# Allegro board rpi-cm4-carrierboard-v1_00-0a.brd (continued)
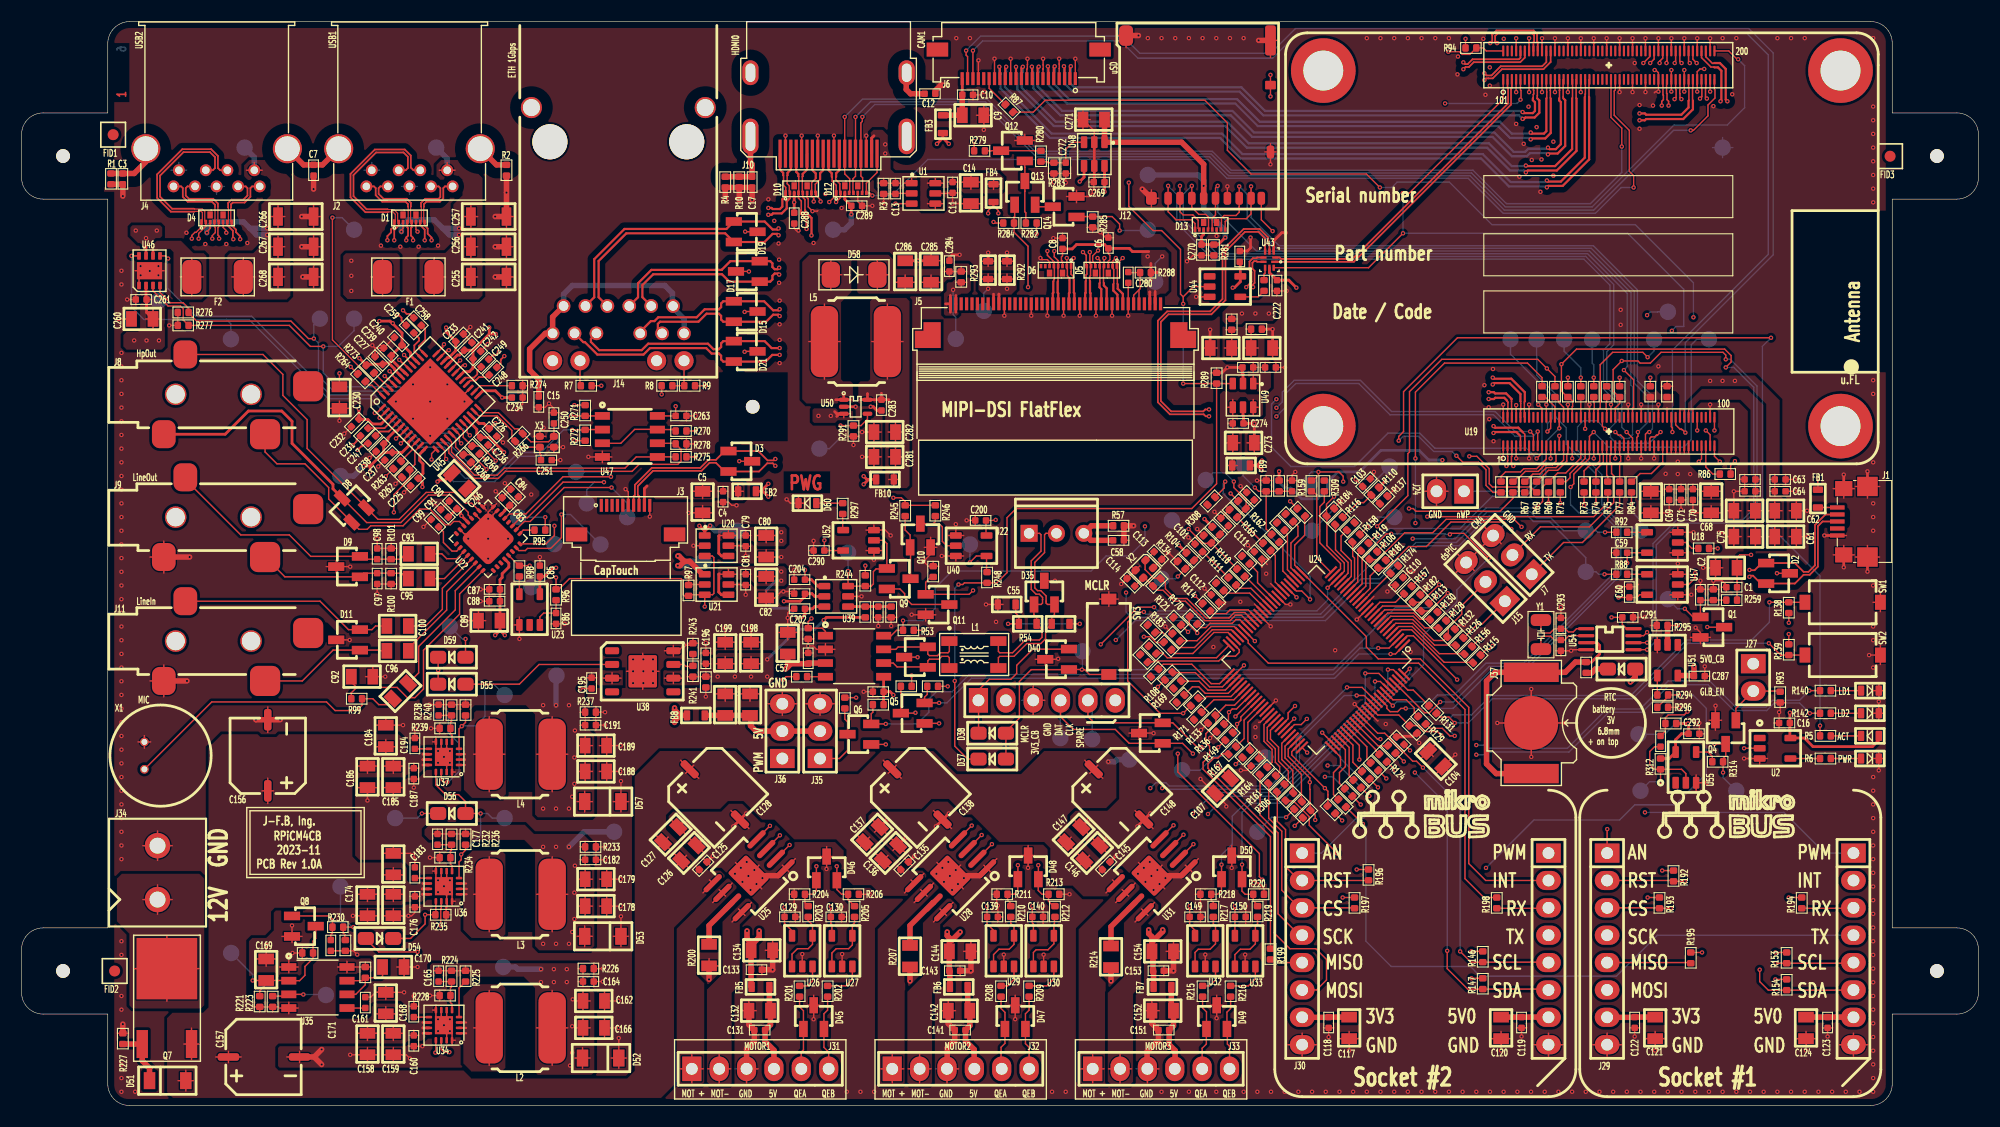
[diagram p0: board, top side]
## Routing (per net, layer and track width the routed paths; a pad name or vN(x,y) marks a point on that pad's centre or on a via; arc(x,y) is an arc through that point) (continued)
  TOP w0.254: C109.2 128.22,34.21 128.28,34.26 129.06,34.26 129.1,34.3 ; U43.9 115.8,77.3 C222.2 117.6,76.6 v1(118.3,75.9) ; U48.4 98.6,86.15 v1(98.2,85.75) ; U45.22 41.66,64.09 42.45,63.3 42.9,63.3 C226.2 43.46,62.81 v1(43.98,63.33) ; U48.6 C269.2 v1(100.5,84.8) ; 85.5,89.8 v1(86.05,89.25) ; 85.5,89.8 v1(84.95,89.25) ; 85.5,89.8 85.5,90.25 ; v1(70.75,46.8) 72.25,46.8 72.7,47.25 C203.1 73.35,47.5 73.6,47.25 U39.2 ; D16.2 172.35,33.9 171.75,33.3 166.25,33.3 165.45,34.1 U2.5 164.1,34.15 C16.2 v1(164.1,36.45) ; v1(31.35,69.35) R273.1 32.09,68.79 C227.2 33.61,68.9 34.08,68.9 34.63,68.35 34.63,68.27 U45.43 ; 114.65,59.4 v1(115.1,59.85) ; 114.65,59.4 FB9.1 ; 114.65,59.4 v1(115.1,58.95) ; v1(31.31,64.65) C232.2 31.36,63.65 32.15,63.65 32.55,63.25 33.36,63.25 U45.3 ; U45.25 42.8,66.32 43.98,66.32 v1(44.6,65.7) C234.2 ; U15.5 C54.2 ; C54.2 R190.1 ; C54.2 80.6,38.4 v1(80.9,38.1) ; v1(112.4,75.9) 112.55,75.9 113.1,76.45 U44.5 113.1,78.25 C224.2 ; U45.34 39.51,69.4 39.65,69.4 40.29,70.04 C233.2 40.29,70.91 39.4,71.8 v1(39.4,72.2) ; v1(37.2,57.4) 37.2,57.81 C225.2 37.25,58.65 37.25,59.55 36.95,59.85 36.95,60.45 37.39,60.89 U45.12 ; 64.75,52.9 64.7,52.85 64.7,51.25 64.95,51 U20.4
  TOP w0.508: D61.1 149.75,39.75 v1(149.3,39.3) ; C117.1 C118.2 121.28,8.18 J30.7 ; J29.7 149.68,8.18 C122.2 C121.1
  POW_INNER3 w0.127: J29.7 148.4,8.18 ; J29.7 145.88,8.18 ; J29.7 147.14,9.18 ; J29.7 147.14,7.18 ; 91.34,36.34 J28.2 ; J28.2 90.34,37.6 ; J28.2 91.34,38.86 ; J28.2 92.34,37.6 ; 117.58,8.18 J30.7 ; J30.7 118.84,9.18 ; J30.7 118.84,7.18 ; J30.7 120.1,8.18
  BOTTOM w0.127: v1(134.55,11.8) 134.5,11.8
  BOTTOM w0.508: v1(50.8,24) 52.2,25.4 TP24.1
  vias: v1(48.4,24) v1(48.4,15) v1(49.6,24) v1(49.6,15) v1(50.8,15) v1(51.1,16.1) v1(51.3,19.75) v1(51.3,17.3) v1(51.35,22.25) v1(70.5,53.2) v1(70.5,52.4) v1(113.1,46.75) v1(114.5,35.1) v1(114.5,34.2) v1(115.5,49.35) v1(126.6,35.4) v1(126.75,47.7) v1(129.7,33.65)
3V3_CB_EN: length 36.7
  TOP w0.127: D56.2 v1(37.15,27.1) ; D54.2 36.1,15.5 37.45,16.85 v1(37.45,17.7) R235.1 38.45,17.75 U36.13 ; D55.2 v1(38.66,40.4) D59.2
  SIG_INNER2 w0.127: v1(38.66,40.4) 37.15,38.89 v1(37.15,27.1) 37.15,18 v1(37.45,17.7)
  BOTTOM w0.127: v1(37.15,27.1) 36.72,26.67 TP64.1
3V3_CM4: length 20.6
  TOP w0.127: R85.1 152.7,67.23 ; R85.1 153.23,66.75 ; R85.1 152.17,66.75 ; v1(148.2,47.15) C60.1 149.9,47.15 150.15,47.4 U17.5 ; 162.7,51.9 C61.1 ; C61.1 162.02,52.8 ; C61.1 163.38,52.8 ; C61.1 162.7,53.7 ; 162.22,58.1 C63.2 ; C63.2 162.7,58.58 ; C63.2 162.7,57.62 ; 162.7,56.52 C64.2 ; C64.2 162.7,57.48 ; C64.2 162.22,57 ; U18.5 C59.1 v1(149,50.35) ; 162.02,55.2 C62.1 ; C62.1 162.7,56.1 ; C62.1 163.38,55.2 ; C62.1 162.7,54.3 ; U19.84 153.9,64.65 ; R295.2 v1(153.7,44.55) ; U19.86 154.3,64.65
  TOP w0.508: U51.2 R295.2
  vias: v1(156.7,67.25) v1(157.85,67.25) v1(159,67.25)
3V3_CODEC: length 19.2
  TOP w0.254: 63.4,53.3 v1(63.9,53.8) ; 63.4,53.3 v1(62.9,53.8) ; 63.4,53.3 U20.1 ; U22.20 44.84,50.71 45.22,50.33 45.22,49.97 44.6,49.35 44.6,49 44.4,48.8 C87.1 C88.2 C89.1 44.4,44.1 ; U23.4 C85.2 48.5,49.1 49.3,49.9 v1(49.6,49.9) ; 44.4,44.1 v1(43.95,43.65) ; 44.4,44.1 v1(44.85,43.65) ; U22.5 41.41,54.14 v1(40.83,54.73) 40.75,54.8 40.75,55.05 C90.2 39.61,54.6 C91.1
  BOTTOM w0.508: v1(63.9,53.8) 64.36,53.34 TP47.1
3V3_PG: length 17.4
  TOP w0.127: v1(42.6,27.1) D56.1 41.2,28.2 40.55,28.85 39.35,28.85 38.45,29.75 U37.13 ; U36.4 40.6,22.6 40.8,22.8 v1(40.8,23.3) 41.2,23.7 R236.2
  BOTTOM w0.127: v1(40.8,23.3) 42.6,25.1 v1(42.6,27.1) 43.25,27.1 43.68,26.67 TP21.1
5V0_CB: length 199.6
  TOP w0.127: C71.2 154.48,57.2 ; C71.2 153.52,57.2 ; C71.2 154,57.68 ; v1(75.1,18.45) C130.2 75.1,16.9 75.2,16.8 U27.5 ; C165.2 R224.2 R225.1 ; C165.2 38.22,12.5 ; C165.2 38.7,12.98 ; U34.14 38.95,5.2 39.2,4.95 v1(39.7,4.95) ; 154.62,57.2 C70.2 ; C70.2 155.58,57.2 ; C70.2 155.1,57.68 ; 51.42,7.2 C166.1 ; C166.1 52.1,6.3 ; C166.1 52.78,7.2 ; C166.1 52.1,8.1 ; C164.2 52.1,11.98 ; C164.2 51.62,11.5 ; C164.2 52.1,11.02 ; R189.1 v1(77.45,37.85) ; C68.1 156.8,57.68 ; C68.1 156.8,56.32 ; C68.1 155.9,57 ; C68.1 157.7,57 ; U19.81 153.5,60.75 153.5,60.45 ; R176.1 v1(82.6,39.9) ; 151.2,56.32 C65.1 ; C65.1 152.1,57 ; C65.1 150.3,57 ; C65.1 151.2,57.68 ; 51.35,4.4 D52.2 ; D52.2 52.06,3.43 ; D52.2 52.77,4.4 ; D52.2 52.06,5.37 ; v1(89.6,18.5) C139.2 89.6,16.85 90.2,16.25 U29.5 ; v1(112.6,18.5) C150.2 U33.5 ; 52.1,12.17 R226.1 51.62,12.7 ; 90.2,83.55 90.2,83.5 90.65,83.05 v1(90.65,82.8) ; 90.2,83.55 89.7,83.05 v1(89.7,82.8) ; 90.2,83.55 FB4.2 ; v1(93.8,18.5) C140.2 93.8,16.95 93.9,16.85 U30.5 ; C204.1 v1(72.7,49.7) ; C69.2 152.9,57.68 ; C69.2 152.42,57.2 ; C69.2 153.38,57.2 ; v1(108.4,18.5) C149.2 108.4,16.75 108.9,16.25 U32.5 ; 154.7,60.45 154.7,60.95 U19.87 ; L2.2 50.69,7.2 ; L2.2 49.24,3.72 ; L2.2 47.79,7.2 ; L2.2 49.24,10.68 ; C260.1 12.2,73.9 ; C260.1 11.52,73 ; C260.1 12.2,72.1 ; C260.1 12.88,73 ; U19.79 153.1,60.65 153.1,60.45 ; 12.08,74.8 C261.2 11.6,75.28 ; U19.83 153.9,60.45 ; C162.1 52.78,9.7 ; C162.1 52.1,10.6 ; C162.1 52.1,8.8 ; C162.1 51.42,9.7 ; U19.85 154.3,60.45 ; R225.1 41.73,12.5 ; R225.1 41.2,12.98 ; U26.5 71.5,16.2 70.8,16.9 C129.2 v1(70.8,18.4) ; U19.77 152.7,60.45 U19.77
  TOP w0.254: v1(78.15,57.65) 78.6,58.1 ; 78.6,58.1 FB10.1 ; 78.6,58.1 78.45,58.1 v1(78.15,58.4) ; U46.2 11.55,74.85 C261.2 11.6,73.6 C260.1 ; 68.6,57 68.8,57 v1(69.3,56.5) ; 68.6,57 v1(69.3,57.7) ; 68.6,57 FB2.2 ; R313.2 v1(154.65,35.45) 154.7,35.4 C292.1 154.05,34.5 153.5,33.95 U55.5 152.9,32.2 R312.2 ; v1(116.7,58.85) R152.1 ; C204.1 73.3,48.8 73.9,48.2 U39.1
  TOP w0.508: 104.9,15.15 104.9,15.65 104.6,15.95 v1(104.6,16.3) ; 104.9,15.15 105.9,16.15 v1(105.9,16.3) ; 104.9,15.15 C154.1 105,14.2 C153.2 105.05,12.45 FB7.2 ; v1(87.1,16.1) 86.3,15.3 86.1,15.3 ; v1(60.6,35.55) 60.6,35.69 61.11,36.2 ; 86.1,15.3 86.1,15.55 85.9,15.75 v1(85.9,16.1) ; 86.1,15.3 C144.1 C143.2 86.15,12.45 FB6.2 ; 71.1,40.7 71.4,41 C56.2 73.06,41.06 U15.3 ; 71.1,40.7 v1(70.9,40.5) ; 71.1,40.7 C57.1 ; J29.10 169.98,8.2 C123.2 C124.1 ; 61.11,36.2 FB8.2 ; 61.11,36.2 60.6,36.71 v1(60.6,36.9) ; C120.1 C119.2 141.68,8.2 J30.10 ; 67.7,15.1 67.94,15.1 68.45,15.61 v1(68.45,16.2) ; 67.7,15.1 C134.1 C133.2 67.7,11.05 FB5.2 ; 67.7,15.1 67.33,15.47 v1(67.33,16.2) ; U51.5 155.15,39.9 C287.2 v1(155.2,40.75)
  POW_INNER3 w0.127: J29.10 171.26,8.18 ; J29.10 168.74,8.18 ; J29.10 170,7.18 ; J29.10 170,9.18 ; J30.10 141.7,9.18 ; J30.10 142.96,8.18 ; J30.10 141.7,7.18 ; J30.10 140.44,8.18 ; 159.44,41 J27.1 ; J27.1 161.96,41 ; J27.1 160.7,42 ; J27.1 160.7,40
  POW_INNER3 w0.254: v1(131.85,59.9) 132.45,59.9 132.9,59.45 135.15,59.45 136.9,57.7 142.1,57.7 145.35,54.45 145.35,48.7 150.1,43.95 150.1,41.1 150.45,40.75 v1(155.2,40.75)
  BOTTOM w0.254: v1(116.7,58.85) 116.7,57.85 117.25,57.3 117.8,57.3 118.8,56.3 120.25,56.3 121.2,57.25 121.2,57.85 122.15,58.8 124.15,58.8 126.15,60.8 129.7,60.8 130.6,59.9 v1(131.85,59.9)
  BOTTOM w0.508: v1(48.2,12.65) 46.04,12.65 45.84,12.85 TP23.1
  vias: v1(10.45,71) v1(11.6,71) v1(12.75,71) v1(48.2,11.45) v1(49.4,12.65) v1(49.4,11.45) v1(50.6,12.65) v1(50.6,11.45) v1(50.9,3.7) v1(51.15,9.85) v1(51.1,7.35) v1(51.1,4.9) v1(152.57,58.62) v1(153.7,59.75) v1(153.7,58.6) v1(154.85,58.6)
5V0_CB_EN: length 20.7
  TOP w0.127: U34.13 38.45,4.95 v1(38.4,4.9) ; v1(26.15,10.3) 26.14,10.31 U35.3 24.64,10.15 R223.2
  SIG_INNER2 w0.127: v1(26.15,10.3) 29.2,10.3 34.6,4.9 v1(38.4,4.9)
  BOTTOM w0.127: v1(26.15,10.3) 28.2,10.3 TP20.1
5V0_PG: length 3.5
  TOP w0.127: U34.4 40.6,10.9 R225.2
5V_HDMI0: length 12.8
  TOP w0.127: C13.2 81.58,85.6 ; C13.2 80.62,85.6 ; C13.2 81.1,86.08 ; 81.87,85.6 U1.1 82.6,86.08 ; R3.2 80.53,85.6 ; R3.2 79.47,85.6 ; R3.2 80,86.08
  TOP w0.254: 79.1,90 78.89,89.79 J10.18 ; D10.3 v1(71.7,83.83) C288.2 ; v1(77,82.7) C289.2 76.4,84.1 D12.3
  BOTTOM w0.508: TP31.1 76.38,81.28 77,81.9 v1(77,82.7)
  vias: v1(80.15,89.2) v1(80.15,88.35)
5V_SERVO: length 11.8
  TOP w0.508: FB8.1 C206.1 C205.1 67.65,36.15 67.65,35.25 68.16,34.74 J36.2 J35.2
12V0_CB: length 148.2
  TOP w0.127: C146.1 99.11,23.21 ; C146.1 99.27,22.09 ; C146.1 98.15,22.25 ; C146.1 97.99,23.37 ; 22.77,9.15 R223.1 ; R223.1 23.83,9.15 ; R223.1 23.3,8.67 ; C128.1 62.83,30.37 ; C128.1 61.17,32.03 ; C128.1 62.37,31.57 ; C128.1 61.63,30.83 ; C175.1 34.5,20.28 ; C175.1 34.5,18.92 ; C175.1 33.6,19.6 ; C175.1 35.4,19.6 ; C147.1 97.57,23.79 ; C147.1 97.41,24.91 ; C147.1 96.29,25.07 ; C147.1 96.45,23.95 ; 32.1,18.92 C173.1 ; C173.1 33,19.6 ; C173.1 31.2,19.6 ; C173.1 32.1,20.28 ; 62.55,21.55 C125.2 ; C125.2 63.23,21.55 ; C125.2 62.55,22.23 ; C138.1 81.63,30.37 ; C138.1 81.17,31.57 ; C138.1 79.97,32.03 ; C138.1 80.43,30.83 ; C126.1 61.87,22.09 ; C126.1 60.59,23.37 ; C126.1 60.75,22.25 ; C126.1 61.71,23.21 ; C157.1 20.38,4.5 ; C157.1 19.2,5.03 ; C157.1 18.02,4.5 ; C157.1 19.2,3.97 ; R222.2 32.43,12.85 ; R222.2 U35.8 ; R222.2 31.9,13.33 ; C145.2 100.63,21.55 ; C145.2 99.95,21.55 ; C145.2 99.95,22.23 ; C160.2 36.4,6.98 ; C160.2 35.92,6.5 ; C160.2 36.88,6.5 ; 81.25,22.23 C135.2 ; C135.2 81.25,21.55 ; C135.2 81.93,21.55 ; 15.77,4.22 Q7.2 ; Q7.2 15.06,5.7 ; Q7.2 16.48,5.7 ; Q7.2 15.77,7.18 ; U35.8 29.32,12.85 ; U35.8 30.2,12.32 ; U35.8 30.2,13.38 ; 24.8,8.51 U35.4 ; U35.4 25.68,9.04 ; U35.4 24.8,9.57 ; U35.4 23.92,9.04 ; C174.1 34.5,22.08 ; C174.1 33.6,21.4 ; C174.1 35.4,21.4 ; C174.1 34.5,20.72 ; C176.2 36.98,19.4 ; C176.2 36.02,19.4 ; C176.2 36.5,19.88 ; C185.1 34.5,32.18 ; C185.1 35.4,31.5 ; C185.1 34.5,30.82 ; C185.1 33.6,31.5 ; C158.1 32.1,7.38 ; C158.1 32.1,6.02 ; C158.1 33,6.7 ; C158.1 31.2,6.7 ; 63.24,19.72 U25.5 63.84,20.93 ; C187.2 36.88,31.3 ; C187.2 35.92,31.3 ; C187.2 36.4,31.78 ; C161.1 33.8,9.18 ; C161.1 32.9,8.5 ; C161.1 34.7,8.5 ; C161.1 33.8,7.82 ; 100.64,19.72 U31.5 101.24,20.93 ; 34.5,6.02 C159.1 ; C159.1 35.4,6.7 ; C159.1 34.5,7.38 ; C159.1 33.6,6.7 ; C137.1 78.87,23.79 ; C137.1 77.75,23.95 ; C137.1 77.59,25.07 ; C137.1 78.71,24.91 ; C184.1 34.7,33.3 ; C184.1 33.8,32.62 ; C184.1 32.9,33.3 ; C184.1 33.8,33.98 ; C136.1 80.57,22.09 ; C136.1 80.41,23.21 ; C136.1 79.45,22.25 ; C136.1 79.29,23.37 ; 82.54,20.93 U28.5 ; U28.5 83.74,21.53 ; U28.5 81.94,19.72 ; C148.1 99.87,31.57 ; C148.1 99.13,30.83 ; C148.1 100.33,30.37 ; C148.1 98.67,32.03 ; C156.1 23.38,29.2 ; C156.1 22.85,28.02 ; C156.1 22.85,30.38 ; C156.1 22.32,29.2 ; C186.1 32.1,32.18 ; C186.1 32.1,30.82 ; C186.1 31.2,31.5 ; C186.1 33,31.5 ; D51.2 15.95,2.3 ; D51.2 15.24,1.33 ; D51.2 15.24,3.27 ; D51.2 14.53,2.3 ; 22.1,8.67 R221.2 ; R221.2 21.57,9.15 ; R221.2 22.63,9.15 ; 58.89,25.07 C127.1 ; C127.1 59.05,23.95 ; C127.1 60.01,24.91 ; C127.1 60.17,23.79
  TOP w0.254: U34.10 37.25,7.7 ; 37.25,7.2 U34.11 ; R110.2 v1(126.55,57.95) ; U37.12 37.25,31.6 ; 37.25,32.1 U37.11 ; U36.12 37.2,19.6 ; 37.2,20.1 U36.11 ; U34.12 37.25,6.7 ; U37.10 37.25,32.6 ; U36.10 37.25,20.6
  POW_INNER3 w0.254: v1(100.85,31.9) 102.85,33.9 102.85,34.9 107.5,39.55 117.4,39.55 122.65,44.8 122.65,54.05 v1(126.55,57.95)
  BOTTOM w0.508: v1(100.85,31.9) 101.46,31.9 101.66,32.1 TP27.1
12V0_PSU: length 17.5
  TOP w0.127: 11.26,19.11 J34.1 ; J34.1 12.62,17.75 ; J34.1 12.62,20.47 ; J34.1 13.98,19.11 ; 10.49,12.7 Q7.3 ; Q7.3 13.49,15.73 ; Q7.3 13.49,9.67 ; Q7.3 16.48,12.7
GND: length 1382.2
  TOP w0.127: J6.7 94.79,96.19 94.8,96.2 94.8,96.23 94.81,96.23 94.81,96.58 94.8,96.59 v1(94.8,97.15) ; v1(141.1,94.05) U19.119 ; C182.1 v1(54.15,22.8) ; C182.1 53.3,22.32 ; C182.1 53.3,23.28 ; C157.2 25.8,5.03 ; C157.2 25.8,3.97 ; C157.2 24.62,4.5 ; 103.79,26.16 C148.2 ; C148.2 105,25.7 ; C148.2 104.54,26.91 ; C148.2 103.33,27.37 ; 105.5,7.48 C151.1 105.02,7 ; C112.1 110.35,47.4 v1(109.78,47.98) ; 74.1,36.21 J35.3 ; J35.3 72.78,37.28 ; J35.3 75.42,37.28 ; J35.3 74.1,38.35 ; 76.67,62.1 R291.2 ; R291.2 v1(77.2,61.3) ; R291.2 77.73,62.1 ; C134.2 69.7,15.3 ; C134.2 70.38,14.4 ; C134.2 69.02,14.4 ; C174.2 36.1,23.4 v1(36.3,23.2) 36.5,23 C183.1 ; C174.2 34.5,24.08 ; C174.2 33.6,23.4 ; 39.2,8.05 38.95,8.3 U34.7 ; 39.2,8.05 v2(39.2,7.45) ; 39.2,8.05 39.45,8.3 U34.6 ; U38.8 60.49,42.7 ; U38.8 60.95,42.2 v1(61.48,42.73) 62.12,42.73 R243.1 ; U38.8 60.49,41.7 ; U38.8 59.66,42.2 ; X2.2 103.77,50.07 ; X2.2 103.37,49.68 C114.2 ; X2.2 103.03,50.04 ; X2.2 102.99,49.29 ; 54.3,30.1 C188.2 ; C188.2 54.3,31.9 ; C188.2 v1(55.55,31) ; C188.2 53.62,31 ; R234.1 v1(37.9,23) ; R234.1 38.8,23.53 ; R234.1 38.8,22.47 ; D48.3 93.41,24.13 ; D48.3 92.83,23.2 ; D48.3 93.99,23.2 ; D48.3 93.41,22.06 v1(93.4,22.05) ; 171.87,36.4 D43.1 ; D43.1 v1(172.35,37.48) D41.1 ; D43.1 172.83,36.4 ; D43.1 172.35,35.75 ; 33.6,4.7 C159.2 ; C159.2 34.5,5.38 ; C159.2 35.7,4.7 v1(36.05,4.35) ; C159.2 34.5,4.02 ; 163.7,57.62 C63.1 ; C63.1 v1(164.55,58.1) ; C63.1 163.7,58.58 ; 53.1,11.02 C164.1 ; C164.1 v1(53.95,11.5) ; C164.1 53.1,11.98 ; 70.6,36.21 J36.3 ; J36.3 69.28,37.28 ; J36.3 71.92,37.28 ; J36.3 70.6,38.35 ; SW2.1 172.5,42.68 ; SW2.1 v1(171.45,41.8) ; SW2.1 172.5,40.92 ; U36.8 38.45,21.1 v2(39.2,20.35) ; U36.8 38.15,21.75 ; U36.8 38.45,22.23 ; 24.17,15.69 Q8.2 ; Q8.2 25.1,15.11 ; Q8.2 v1(25.1,16.7) ; Q8.2 26.03,15.69 ; C168.1 v1(36.4,10.15) ; C168.1 36.88,9.2 ; C168.1 35.92,9.2 ; U32.2 v1(109.85,14) ; C114.2 102.56,48.91 v1(102.05,48.4) ; C114.2 102.25,49.25 ; C114.2 102.25,48.57 ; v1(144.7,94.05) U19.137 ; U52.3 79.1,53.88 ; U52.3 80.15,53.4 v1(80.65,52.9) ; U52.3 78.37,53.4 ; 91.45,77.87 R292.2 ; R292.2 92.1,78.35 ; R292.2 90.8,78.35 ; 167.12,7.2 C123.1 ; C123.1 168.08,7.2 ; C123.1 v1(167.6,6.4) ; U39.5 v1(77.95,47.25) ; C15.2 48.6,64.8 v1(48.95,65.15) 49.4,64.7 C250.2 ; C15.2 48,64.32 ; C15.2 47.52,64.8 ; 43.7,53.15 43.3,53.55 v1(43.3,54.45) 43.3,55.08 U22.32 ; 43.7,53.15 43.78,53.08 v1(43.3,52.6) ; 43.7,53.15 43.7,54.22 43.74,54.27 43.74,54.81 U22.31 ; v1(41.65,72.25) C233.1 C241.1 ; 120.82,7.2 C118.1 ; C118.1 121.78,7.2 ; C118.1 v1(121.3,6.35) ; C178.2 v1(55.6,18.5) ; C178.2 54.3,17.6 ; C178.2 54.3,19.4 ; C178.2 53.62,18.5 ; D9.3 30.49,50.01 v1(30.5,50) ; D9.3 29.2,49.43 ; D9.3 29.2,50.59 ; D9.3 28.27,50.01 ; U25.9 68.69,20.11 ; U25.9 66.25,22.55 ; U25.9 68.44,22.3 ; v1(157.55,53.15) 157.95,53.15 158.3,52.8 C75.2 ; R211.2 90.5,18.65 v1(90.6,18.55) C139.1 ; R211.2 90.5,20.13 ; R211.2 90.02,19.6 ; 66.82,8.8 C132.2 ; C132.2 68.18,8.8 ; C132.2 67.5,9.7 ; U36.6 39.45,21.2 39.2,20.95 ; C198.2 68.6,43 ; C198.2 v1(67.7,44.3) ; C198.2 67.7,42.32 ; C198.2 66.8,43 ; v1(99.9,79.35) 99.4,78.85 99.4,78.35 99.65,78.1 D5.6 ; SW3.1 100.9,47.68 ; SW3.1 101.78,47 ; SW3.1 100.02,47 ; SW3.1 100.9,46.32 ; v1(43.3,52.6) 42.75,53.15 42.75,54.2 42.12,54.83 U22.3 ; v1(43.3,52.6) 42.02,52.6 41.89,52.73 41.89,52.78 41.63,53.04 41.09,53.04 U22.7 ; R235.2 39.4,18.35 39.49,18.44 39.49,18.91 U36.15 39.45,19.5 39.2,19.75 v2(39.2,20.35) ; R235.2 39.88,17.7 ; R235.2 39.4,17.17 ; U28.1 90.5,22.9 ; U28.1 89.3,22.3 ; U28.1 89.9,21.7 ; C199.2 v1(65.3,44.3) ; C199.2 66.2,43 ; C199.2 65.3,42.32 ; C199.2 64.4,43 ; 158.9,51.9 C75.2 ; C75.2 159.58,52.8 ; C75.2 158.9,53.7 ; X1.2 11.4,34.32 ; X1.2 11.4,33.16 ; X1.2 10.82,33.74 ; X1.2 11.98,33.74 ; 80.7,24.78 C136.2 ; C136.2 81.98,23.5 ; C136.2 80.86,23.66 ; C277.2 110.98,70.3 ; C277.2 109.62,70.3 ; C277.2 110.3,69.4 ; 153.7,46.92 U17.1 ; U17.1 152.97,47.4 ; U17.1 v1(154.95,47.4) ; 106,12.98 C153.1 106,12.02 ; C169.2 23.6,13.6 ; C169.2 21.8,13.6 ; C169.2 22.7,12.92 ; C169.2 v1(22.7,14.9) ; 156.7,95.15 U19.197 156.7,95.15 ; 156.7,95.15 v1(156.7,94.1) ; C90.1 39.69,56.1 C91.2 v1(38.25,55.95) ; 102.78,52.45 C58.2 102.3,51.97 ; v2(39.2,7.45) 39.95,6.7 U34.16 ; v2(39.2,7.45) 38.45,8.2 U34.8 ; v2(39.2,7.45) 39.2,6.85 39.45,6.6 U34.15 ; C2.2 157.2,50.8 ; C2.2 v1(156.05,49.9) ; C2.2 157.88,49.9 ; C2.2 157.2,49 ; 133.8,44.6 v1(133.85,44.6) ; 133.8,44.6 133.4,44.6 R132.2 ; 133.8,44.6 133.6,44.8 ; C206.2 v1(66.45,38.2) C205.2 ; C206.2 65.3,38.88 ; C206.2 65.3,37.52 ; C206.2 64.4,38.2 ; C200.2 v1(87.7,54.3) ; C200.2 88.5,53.82 ; C200.2 88.5,54.78 ; U28.9 87.39,20.11 ; U28.9 87.14,22.3 ; U28.9 84.95,22.55 ; C203.2 71.7,47.98 ; C203.2 71.22,47.5 ; C203.2 71.5,47.7 v1(70.7,47.7) 70.5,47.7 69.9,47.1 C82.2 ; R260.2 157.53,47.9 ; R260.2 156.47,47.9 ; R260.2 v1(157,48.7) 157.8,48.7 158.2,48.3 C1.1 ; U18.1 154.43,51.3 ; U18.1 v1(153.7,50.3) U17.3 ; U18.1 152.97,51.3 ; U19.42 v1(145.5,65.05) ; C128.2 67.04,26.91 ; C128.2 67.5,25.7 ; C128.2 66.29,26.16 ; C128.2 65.83,27.37 ; 101.67,99.3 J12.13 102.5,98.17 ; D46.3 74.71,24.03 ; D46.3 75.29,23.1 ; D46.3 74.13,23.1 ; D46.3 74.71,21.96 v1(74.7,21.95) ; C166.2 54.1,8.1 ; C166.2 v1(55.4,7.2) ; C166.2 54.1,6.3 ; Q11.2 82.61,45.54 v1(82.6,45.55) ; Q11.2 83.9,44.96 ; Q11.2 83.9,46.12 ; Q11.2 84.83,45.54 ; v1(11.05,77.05) 10.9,76.9 U46.1 ; 115.43,36.62 v1(116.4,37.59) ; v1(113.6,18.5) C150.1 113.6,16.9 ; 104.22,8.8 C152.2 ; C152.2 104.9,9.7 ; C152.2 105.58,8.8 ; C269.1 99.5,86.18 ; C269.1 v1(99.5,84.8) 99.06,84.36 Q14.2 ; C269.1 99.02,85.7 ; U47.4 54.78,60.19 ; U47.4 53.9,60.72 ; U47.4 53.9,59.66 ; U47.4 52.61,60.19 v1(52.6,60.2) ; R276.1 R277.1 v1(13.7,72.4) ; U40.3 87.43,51 ; U40.3 86.7,50.52 ; U40.3 v1(85.4,51) ; U19.168 v1(150.7,99.05) ; 68.35,3.4 J31.3 67.28,2.08 ; 87.1,12.98 C143.1 87.1,12.02 ; 151.8,43.48 U51.3 151.8,42.02 ; C56.1 73.48,42 ; C56.1 72.52,42 ; C56.1 v1(73,42.65) ; C92.1 v1(33.75,39.8) ; C92.1 31.92,39.8 ; C92.1 32.6,40.7 ; U37.16 39.95,31.6 v2(39.2,32.35) ; U37.16 40.25,30.95 ; U37.16 39.95,30.47 ; 170.17,50.9 J1.8 ; J1.8 172.43,50.9 ; J1.8 171.3,51.98 ; 155.8,42.86 Q1.2 ; Q1.2 154.87,43.44 ; Q1.2 155.8,43.9 v1(155.35,44.35) ; Q1.2 156.73,43.44 ; C271.2 99.55,90.45 U48.2 ; C271.2 98.5,92.4 ; C271.2 98.5,90.6 ; C271.2 97.82,91.5 ; C271.2 99.18,91.5 ; 32.8,70.3 C227.1 ; 32.8,70.3 v1(32.55,70.55) ; 32.8,70.3 C239.1 ; C227.1 32.46,69.84 ; C227.1 33.14,69.84 ; 68,7.48 C131.1 67.52,7 ; C113.2 106.15,51.03 ; C113.2 X2.4 ; C113.2 105.81,50.71 v1(106.42,51.33) 107.24,50.51 R134.2 ; C113.2 106.15,50.35 ; 88.3,93.32 C10.1 ; C10.1 89.05,93.8 v1(89.33,94.08) ; C10.1 88.3,94.28 ; 103.65,22.55 U31.9 ; U31.9 105.84,22.3 ; U31.9 106.09,20.11 ; 49.6,44.22 C86.1 ; C86.1 v1(50.4,44.7) ; C86.1 49.12,44.7 ; J3.10 v1(58.3,54.65) ; 61.7,60.87 R278.1 ; R278.1 v1(62.55,61.4) ; R278.1 61.7,61.93 ; C272.2 v1(96.9,85.65) ; C272.2 97.38,86.5 ; C272.2 96.42,86.5 ; J5.16 v1(93.7,73.3) ; 145.82,5.64 J29.8 ; J29.8 148.46,5.64 ; J29.8 147.14,6.71 ; J29.8 147.14,4.57 ; C196.1 63.98,42 ; C196.1 v1(63.5,42.95) ; C196.1 63.02,42 ; R58.2 73.53,43.3 ; R58.2 v1(73,42.65) ; R58.2 72.47,43.3 ; v1(129.15,49.6) 128.8,49.6 C110.1 ; 36.02,18.4 C176.1 ; C176.1 36.5,17.9 36.2,17.6 v1(35.9,17.6) C175.2 ; C176.1 36.98,18.4 ; C6.1 101.33,80.55 ; C6.1 100.85,81.03 ; C6.1 100.6,80.55 v1(100.1,81.05) 99.65,81.5 R285.1 ; 12.62,22.75 J34.2 ; J34.2 13.98,24.11 ; J34.2 12.62,25.47 ; J34.2 11.26,24.11 ; 156.8,54.32 C68.2 ; C68.2 v1(155.1,55) C70.1 ; C68.2 157.7,55 ; C68.2 156.8,55.68 ; C8.1 97.08,80.5 ; C8.1 v1(95.75,80.5) ; C8.1 96.6,80.98 ; C149.1 109.88,17.5 ; C149.1 v1(109.4,18.5) R218.2 ; C149.1 109.4,17.02 ; v1(72.39,90.01) 72.39,88.65 J10.5 ; U24.40 v1(115.92,44.47) ; v1(31.15,14) 30.8,14.35 R231.1 C172.1 ; 73.5,51.02 C290.2 ; C290.2 v1(73.5,52.4) ; C290.2 73.02,51.5 ; J29.9 170,6.71 ; J29.9 168.68,5.64 ; J29.9 171.32,5.64 ; J29.9 170,4.57 ; C59.2 148,51.78 ; C59.2 148,50.82 ; C59.2 147.52,51.3 ; 39.2,20.95 38.95,21.2 U36.7 ; 39.2,20.95 v2(39.2,20.35) ; C173.2 v1(30.75,17.6) ; C173.2 32.1,18.28 ; C173.2 33,17.6 ; C173.2 32.1,16.92 ; U19.43 v1(145.9,60.05) ; J37.3 v1(140.1,32.35) ; J37.3 v1(140.1,38.65) ; J37.3 v1(143.25,35.5) ; J37.3 v1(136.95,35.5) ; C295.1 v1(143.8,42.2) 143.9,42.3 U54.4 ; C295.1 142.85,41.72 ; C295.1 142.37,42.2 ; C260.2 v1(9,73) ; C281.2 79.78,60.2 ; C281.2 79.1,61.1 ; C281.2 v1(78,60.2) ; C281.2 79.1,59.3 ; 103.7,33.98 D39.3 ; D39.3 105.04,34.56 v1(105.05,34.55) ; D39.3 103.7,35.14 ; D39.3 102.77,34.56 ; C289.1 77.6,83.9 D12.6 ; C289.1 78,83.98 ; C289.1 v1(78.95,83.5) ; C289.1 78,83.02 ; 91.63,9.3 D47.3 ; D47.3 v1(92.21,8.01) ; D47.3 92.79,9.3 ; D47.3 92.21,10.23 ; U19.167 v1(150.7,94.05) ; C129.1 v1(71.8,18.45) 71.7,18.55 R204.2 ; C129.1 71.8,17.02 ; C129.1 72.28,17.5 ; 153.52,56.2 C71.1 ; C71.1 154.48,56.2 ; C71.1 v1(154,55.3) ; 104.85,83.42 J12.14 ; J12.14 104.85,84.98 ; J12.14 105.53,84.2 ; 168.12,51.1 J1.6 ; J1.6 169.1,51.98 ; J1.6 170.08,51.1 ; v1(150.65,45.3) C291.1 ; C291.1 149.55,45.78 ; C291.1 149.55,44.82 ; C14.2 v1(86.4,83.7) C11.1 ; C14.2 88.1,83.02 ; C14.2 89,83.7 ; 157.72,48.1 C1.1 ; C1.1 158.2,47.62 ; 54.71,4.4 D52.1 ; D52.1 v1(55.42,6.25) ; D52.1 56.14,4.4 ; D52.1 55.42,3.43 ; 78.37,51.5 U52.1 ; U52.1 v1(79.1,50.65) ; U52.1 79.83,51.5 ; J10.11 75.39,88.65 v1(75.39,90.01) ; U27.2 v1(76.15,14.05) ; R249.2 81.23,45.3 ; R249.2 80.17,45.3 ; R249.2 v1(80.7,44.5) ; C158.2 v1(30.5,4.7) ; C158.2 32.1,5.38 ; C158.2 32.1,4.02 ; C158.2 33,4.7 ; v1(94.55,78.65) 94.7,78.5 95.2,78.5 95.4,78.3 D6.6 ; C195.2 v1(51.85,38.7) ; v1(155.5,99.05) 155.5,98.05 ; 155.5,98.05 U19.192 155.5,98.05 ; C266.2 27.1,83.53 ; C266.2 27.73,82.5 ; C266.2 27.1,81.47 ; U19.74 v1(151.9,65.05) ; v1(149.1,60.05) 149.1,61 ; 149.1,61 U19.59 149.1,61 ; R135.2 v1(109.1,53.5) ; C223.1 156.28,47.9 ; C223.1 v1(155.8,48.7) ; C223.1 155.32,47.9 ; 63.8,13.63 R200.1 64.7,12.95 ; C267.2 27.1,80.73 ; C267.2 27.73,79.7 ; C267.2 27.1,78.67 ; U37.7 38.95,33.2 39.2,32.95 ; 74.6,41.8 U15.2 ; U15.2 74.6,42.86 ; U15.2 75.48,42.33 ; U15.2 73.77,42.33 73.45,42.65 v1(73,42.65) ; 89.05,78.35 R293.2 ; R293.2 89.7,77.87 ; R293.2 90.35,78.35 ; 68.7,13.08 C133.1 68.7,12.12 ; 85.32,8.8 C142.2 ; C142.2 86,9.7 ; C142.2 86.68,8.8 ; 39.2,32.95 39.45,33.2 U37.6 ; 39.2,32.95 v2(39.2,32.35) ; R186.1 v1(114.65,58) ; R186.1 116.03,58 ; R186.1 115.5,58.48 ; D49.3 110.91,10.23 ; D49.3 111.49,9.3 ; D49.3 110.91,8.11 v1(110.9,8.1) ; D49.3 110.33,9.3 ; 156.61,35.75 Q4.2 ; Q4.2 157.77,35.75 ; Q4.2 157.19,34.82 ; Q4.2 157.19,37.09 v1(157.2,37.1) ; C79.1 67.15,51.95 U20.5 ; C79.1 66.72,51.9 ; C79.1 v1(67.2,51) ; C79.1 67.68,51.9 ; 35.92,5.5 C160.1 ; C160.1 v1(37.2,5.5) ; C160.1 36.4,5.02 ; 169.35,52.9 J1.1 168.5,52.52 ; 116.1,69.4 C279.2 116.78,70.3 ; C175.2 34.5,18.28 ; C175.2 34.5,16.92 ; C175.2 33.6,17.6 ; J12.11 115.9,87.55 v1(115.9,87.35) ; J12.11 115.37,88.5 ; J12.11 115.9,89.28 ; J12.11 116.43,88.5 ; 83.78,51.8 Q10.2 ; Q10.2 84.94,51.8 ; Q10.2 84.36,51.16 v1(83.7,50.5) 84.15,50.05 R311.2 ; Q10.2 84.36,52.73 ; R226.2 v1(53.95,12.7) ; R226.2 53.1,13.23 ; R226.2 53.1,12.17 ; 85.09,26.16 C138.2 ; C138.2 86.3,25.7 ; C138.2 84.63,27.37 ; C138.2 85.84,26.91 ; C16.1 v1(163.1,36.5) 163.2,36.6 R93.2 ; C16.1 163.1,35.02 ; C16.1 162.62,35.5 ; 53.62,21 C179.2 ; C179.2 v1(55.6,21) ; C179.2 54.3,20.1 ; C179.2 54.3,21.9 ; C88.1 43.4,47.28 ; C88.1 43.4,46.32 ; C88.1 v1(42.6,46.8) ; J30.9 143.02,5.64 ; J30.9 141.7,6.71 ; J30.9 140.38,5.64 ; J30.9 141.7,4.57 ; v1(67.5,77.4) 67.49,77.41 D17.3 ; 67.6,37.52 C205.2 ; C205.2 67.6,38.88 ; C205.2 68.5,38.2 ; U29.2 v1(91.15,14) ; 161.3,31.72 U2.3 ; U2.3 v1(159.85,32.2) ; U2.3 162.03,32.2 ; 94.07,41.41 D40.3 ; D40.3 95,40.83 ; D40.3 96.16,41.41 v1(96.2,41.45) ; v1(91.79,97.15) J6.13 ; C78.1 159.9,58.58 ; C78.1 159.42,58.1 ; C78.1 C77.1 v1(158.9,57) C76.2 ; J32.3 85.88,4.72 ; J32.3 86.95,3.4 ; J32.3 85.88,2.08 ; v1(56.05,57.2) 56.3,56.95 J3.6 ; 22.85,34.62 C156.2 22.85,36.98 ; C137.2 80.28,25.2 ; C137.2 79,26.48 ; C137.2 79.16,25.36 ; U23.1 46.2,45.33 ; U23.1 45.72,44.6 ; U23.1 v1(46.2,43.3) ; 116.5,75.12 C222.1 ; C222.1 116.02,75.6 ; C222.1 v1(117.4,75.6) ; J6.19 88.79,96.99 v1(88.8,97) ; v2(39.2,20.35) 39.95,19.6 U36.16 ; 156.2,39.37 C287.1 ; C287.1 156.68,39.85 ; C287.1 v1(156.2,40.75) ; 110.37,68 R289.2 110.9,68.48 ; 32.9,35.3 C184.2 ; C184.2 33.8,35.98 ; C184.2 v1(35.4,35.3) ; U38.9 59.15,40.3 ; U38.9 57.65,38.62 ; U38.9 57.65,41.97 ; U38.9 56.14,40.3 ; 106.95,50.85 R134.2 ; R134.2 106.92,50.13 ; C117.2 124.1,6.2 ; C117.2 122.3,6.2 ; C117.2 v1(123.2,5.1) ; C117.2 123.2,6.88 ; v1(117.75,46.5) 117.29,46.5 U24.34 ; v1(72.1,81.2) 71.9,81.2 71.7,81.4 C288.1 ; D60.1 72.1,56.55 ; D60.1 72.58,55.9 ; D60.1 71.35,55.9 v1(71,56.25) ; D60.1 72.1,55.25 ; C230.2 v1(29.5,63.55) ; C230.2 30.4,64.7 ; C230.2 28.6,64.7 ; C230.2 29.5,65.38 ; 9.93,6.7 R227.1 8.87,6.7 ; C11.1 86.35,84.65 U1.5 ; C11.1 85.92,84.7 ; C11.1 86.88,84.7 ; v1(153.1,94.1) 153.1,95.05 ; 153.1,95.05 U19.179 ; 153.1,95.05 U19.179 ; U21.2 61.95,48.35 R97.2 v1(61.9,49.2) ; U55.3 155.4,30.68 ; U55.3 155.4,29.22 ; U55.3 v1(156.4,29.95) ; 79.1,61.6 C282.2 ; C282.2 79.78,62.5 ; C282.2 v1(78,62.5) ; C282.2 79.1,63.4 ; 33.8,9.82 C161.2 ; C161.2 v1(35.5,10.5) ; C161.2 33.8,11.18 ; C161.2 32.9,10.5 ; C161.2 32.85,10.5 32.4,10.05 C171.2 ; C187.1 36.88,30.3 ; C187.1 v1(36.4,29.5) ; C187.1 35.92,30.3 ; U22.1 43.13,55.25 ; U22.1 42.52,55.85 ; U22.1 43.05,55.78 ; U22.1 42.8,55.55 42.4,55.95 42.4,56.2 v1(42.2,56.4) C246.2 ; U17.3 154.43,49.3 ; U17.3 152.97,49.3 ; C293.1 143.33,45.25 ; C293.1 142.37,45.25 ; C293.1 v1(142.85,46.25) ; 149.1,64.15 U19.60 149.1,64.15 ; 149.1,64.15 v1(149.1,65.05) ; v1(78.39,90.01) 78.39,88.9 J10.17 ; U19.132 v1(143.5,99.05) ; 35.5,11.95 C170.2 ; C170.2 v1(36.75,12.85) ; C170.2 35.5,13.75 ; C170.2 34.82,12.85 ; C255.2 45,77.93 ; C255.2 45.63,76.9 ; C255.2 45,75.87 ; J1.7 170.08,57.25 ; J1.7 169.1,56.37 ; J1.7 168.12,57.25 ; Q14.2 97.9,84.94 ; Q14.2 96.97,84.36 ; Q14.2 97.9,83.78 ; D45.3 73.51,8.01 v1(73.5,8) ; D45.3 73.51,10.23 ; D45.3 74.09,9.3 ; D45.3 72.93,9.3 ; C5.2 64.1,55 ; C5.2 v1(61.9,55) ; C5.2 63.2,54.32 ; C5.2 63.2,55.68 ; J10.8 v1(73.89,90.01) ; U19.65 v1(150.3,60.05) ; C101.2 v1(108.28,52.73) ; 171.87,32.2 D20.1 ; D20.1 172.83,32.2 ; D20.1 172.35,32.85 ; D20.1 v1(172.35,31.1) ; 26.05,13.62 R229.1 ; R229.1 v1(25.15,14.15) 24.8,13.8 U35.1 ; R229.1 26.05,14.68 ; C194.1 v1(36.5,34.95) ; C194.1 36.98,34.1 ; C194.1 36.02,34.1 ; U34.16 40.25,6.05 ; U34.16 39.95,5.57 ; 85.3,78.4 C285.2 84.4,79.08 ; v1(111.8,27.75) 111.8,27.91 C107.2 v1(109.41,30.31) ; U1.2 81.15,84.65 C13.1 R3.1 v1(80,83.75) ; U20.2 v1(62.35,51.95) ; v1(142.3,94.05) 142.3,94.9 U19.125 ; v1(162.9,49.4) 162.91,49.39 D2.3 ; v1(122.4,56.05) 121.81,55.46 R184.2 ; C89.2 v1(41.15,45) ; C89.2 43.08,45 ; C89.2 42.4,44.1 ; C89.2 42.4,45.9 ; R243.1 62.3,43.38 ; R243.1 61.77,42.9 ; R243.1 62.83,42.9 ; 104.48,2.08 J33.3 ; J33.3 105.55,3.4 ; J33.3 104.48,4.72 ; C139.1 90.6,17.02 ; C139.1 91.08,17.5 ; C250.2 48.92,64.3 ; C250.2 49.88,64.3 ; 113.72,61.5 C273.2 ; C273.2 114.4,60.6 ; C273.2 115.08,61.5 ; 172.5,45.82 SW1.1 ; SW1.1 171.82,46.7 ; SW1.1 172.5,47.58 ; C256.2 45,80.73 ; C256.2 45,78.67 ; C256.2 45.63,79.7 ; 55.62,14.73 D53.1 ; D53.1 54.91,15.7 ; D53.1 56.34,15.7 ; D53.1 v1(55.62,17.55) ; C292.2 v1(155.7,35.5) ; C292.2 156.18,34.5 ; C292.2 155.7,34.02 ; 45.63,82.5 C257.2 45,81.47 ; v1(114.35,20.65) 114.79,20.65 115.3,20.14 R220.2 ; 47.55,62.1 X3.2 ; X3.2 48.1,62.55 v1(48.45,62.9) ; X3.2 48.65,62.1 ; D50.3 112.89,23.2 ; D50.3 112.31,22.06 v1(112.3,22.05) ; D50.3 111.73,23.2 ; D50.3 112.31,24.13 ; J5.31 v1(101.2,73.3) ; C124.2 v1(165.6,5.1) ; C124.2 165.6,6.88 ; C124.2 166.5,6.2 ; C124.2 164.7,6.2 ; 54.91,28.2 D57.1 ; D57.1 55.62,27.23 ; D57.1 56.34,28.2 ; D57.1 v1(55.62,30.1) ; D41.1 171.87,38.5 ; D41.1 172.35,39.15 ; D41.1 172.83,38.5 ; U22.32 43.55,55.78 ; U22.32 44.08,55.85 ; C238.1 v1(32.3,60.1) ; 164.7,54.3 C62.2 ; C62.2 v1(165.7,55.2) ; C62.2 164.7,56.1 ; C62.2 164.02,55.2 ; U19.23 v1(141.9,60.05) ; v1(19,81) 19,81.2 18.7,81.5 D4.6 ; Q12.2 93.1,90.14 ; Q12.2 94.03,89.56 ; Q12.2 92.17,89.56 ; R285.1 98.87,81.5 ; R285.1 99.4,81.02 ; 53.3,23.47 R233.2 ; R233.2 53.3,24.53 ; R233.2 v1(54.15,24) ; U19.13 v1(139.9,60.05) ; U19.198 v1(156.7,99.05) ; 98.98,25.2 C147.2 97.7,26.48 ; 53.3,34.82 C191.1 ; C191.1 v1(54.15,35.3) ; C191.1 53.3,35.78 ; R101.1 C98.2 v1(33,52.6) ; R101.1 34.3,52.18 ; R101.1 34.83,51.7 ; U19.155 v1(148.3,94.05) ; R239.1 38.8,35.53 ; R239.1 v1(38,35) ; R239.1 38.8,34.47 ; v1(44.85,57.75) C84.1 44.61,56.41 C83.2 ; 117.42,58 C116.2 ; C116.2 118.38,58 ; C116.2 117.9,58.5 v1(118.2,58.8) ; 164.7,51.9 C61.2 ; C61.2 v1(165.8,52.8) ; C61.2 164.02,52.8 ; C61.2 164.7,53.7 ; v1(111.9,85.3) J12.6 ; R100.1 C97.2 v1(33,47.5) ; R100.1 34.3,47.92 ; R100.1 34.83,48.4 ; 71.1,43.22 C57.2 ; C57.2 v1(71.1,45.25) 71.1,45.7 71.5,46.1 C202.2 ; C57.2 72,43.9 ; C57.2 70.2,43.9 ; U19.107 v1(138.7,94.05) ; C65.2 151.2,55.68 ; C65.2 v1(152.9,55) C69.1 ; C65.2 151.2,54.32 ; C65.2 150.3,55 ; 53.3,35.97 R237.2 ; R237.2 53.3,37.03 ; R237.2 v1(54.15,36.5) ; C122.1 v1(149.7,6.4) ; C122.1 149.22,7.2 ; C122.1 150.18,7.2 ; C55.1 90.6,47.15 ; C55.1 90.6,45.85 ; C55.1 91.08,46.5 ; C55.1 v1(89.5,46.5) ; R181.2 126.61,50.66 v1(127.25,51.3) ; 39.95,18.47 U36.16 ; U36.16 40.25,18.95 ; 150.05,48.35 149.85,48.15 C60.2 v1(148.2,48.15) ; v1(102.7,73.3) J5.34 C280.1 ; 87.42,14.3 C144.2 ; C144.2 88.78,14.3 ; C144.2 88.1,15.2 ; 68.2,47.1 C82.2 ; C82.2 69.1,47.78 ; C82.2 69.1,46.42 ; U24.13 v1(123.91,45.1) ; 63.28,23.5 C126.2 62,24.78 ; R311.2 84.6,50.53 ; R311.2 85.13,50.05 ; C276.1 116.4,68.98 ; C276.1 v1(117.25,68.5) ; C276.1 116.4,68.02 ; v1(67.1,69.95) 67.14,69.99 D21.3 ; U19.2 v1(137.5,65.05) ; C261.1 10.6,75.28 ; C261.1 10.6,74.32 ; C261.1 v1(9.8,74.8) ; 88.62,91.9 C9.2 ; C9.2 89.3,92.8 ; C9.2 v1(89.3,90.55) ; C9.2 89.98,91.9 ; C85.1 v1(48.1,50.9) ; J24.2 132.38,57 ; J24.2 131.31,58.32 ; J24.2 131.31,55.68 ; J24.2 130.24,57 ; J28.3 93.88,38.92 ; J28.3 94.95,37.6 ; J28.3 93.88,36.28 ; D35.3 v1(95.9,48.7) ; v1(110.7,55.1) C102.2 112.09,55.3 R185.1 ; R182.2 v1(130.4,48) ; v1(148.3,99.05) U19.156 ; 73.9,83.05 73.85,83 v1(73.4,83) 73,83.4 73,84.15 72.9,84.25 D10.6 ; C81.1 67.68,48.3 ; C81.1 v1(67.2,47.4) ; C81.1 66.72,48.3 ; C81.1 67.15,48.35 U21.5 ; R283.2 96.33,86.5 ; R283.2 v1(95.8,85.7) ; R283.2 95.27,86.5 ; 162.67,37.4 R93.2 ; R93.2 163.73,37.4 ; C87.2 v1(42.6,47.9) ; C87.2 43.4,47.42 ; C87.2 43.4,48.38 ; 151.15,44.55 R295.1 ; R295.1 151.75,45.08 ; R295.1 151.75,44.02 ; 33.26,69.96 C239.1 ; C239.1 33.26,70.64 ; C239.1 C240.1 ; C111.1 v1(113.8,52) ; 147.5,64.25 v1(147.5,65.05) ; 147.5,64.25 U19.52 147.5,64.25 ; D1.6 36.6,81.3 36.75,81.15 v1(36.75,81.1) ; J10.2 v1(70.89,90.01) ; 156.7,64.35 U19.98 156.7,64.35 ; 156.7,64.35 v1(156.7,65.05) ; v1(67.15,81.1) 67.16,81.09 D19.3 ; D15.3 67.14,73.69 v1(67.1,73.65) ; v1(139.9,99.05) U19.114 ; 24.8,12.32 U35.1 ; U35.1 23.92,12.85 ; U35.1 25.68,12.85 ; R296.2 v1(153.8,36.95) ; 79.02,45.3 C201.2 ; C201.2 79.98,45.3 ; C201.2 v1(79.5,44.5) ; U19.66 v1(150.3,65.05) ; J5.28 v1(99.7,73.3) ; v1(138.7,99.05) 138.7,98 ; 138.7,98 U19.108 138.7,98 ; v1(155.15,53.2) U18.3 ; U18.3 152.97,53.2 ; U18.3 153.7,53.68 ; C121.2 151.6,6.88 ; C121.2 v1(151.6,5.1) ; C121.2 152.5,6.2 ; C121.2 150.7,6.2 ; v1(151.55,96.1) 151.65,96.1 151.9,95.85 U19.173 v1(151.9,94.1) 151.63,94.1 151.51,93.98 ; 84.8,94.38 84.8,94.19 ; 111.73,54.93 R185.1 ; R185.1 111.76,55.64 ; D3.3 66.61,59.79 v1(66.6,59.8) ; U30.2 v1(94.85,14) ; U19.22 v1(141.5,65.05) ; U19.7 138.7,60.8 v1(138.7,60.05) ; D13.6 v1(110.9,80.7) ; U19.113 v1(139.9,94.05) ; C83.2 44.93,56.75 ; C83.2 v1(44,57) ; C83.2 44.25,56.07 ; C189.2 54.3,34.3 ; C189.2 54.3,32.5 ; C189.2 53.62,33.4 ; C189.2 v1(55.6,33.4) ; 142.3,98.05 U19.126 142.3,98.05 ; 142.3,98.05 v1(142.3,99.05) ; J1.9 172.43,57.45 ; J1.9 170.17,57.45 ; J1.9 171.3,56.37 ; v1(153.1,99.05) 153.1,98 ; 153.1,98 U19.180 153.1,98 ; U19.53 v1(147.9,60.05) ; 118.84,4.57 J30.8 ; J30.8 117.52,5.64 ; J30.8 118.84,6.71 ; J30.8 120.16,5.64 ; v1(151.9,99.05) U19.174 ; C204.2 v1(71.7,49.7) ; R274.1 46.98,66.8 ; R274.1 C234.1 46.5,65.1 v1(46,64.6) ; R274.1 46.5,67.33 ; C103.2 125.5,58.5 